# KiCad board jetson-agx-thor-baseboard.kicad_pcb (continued)
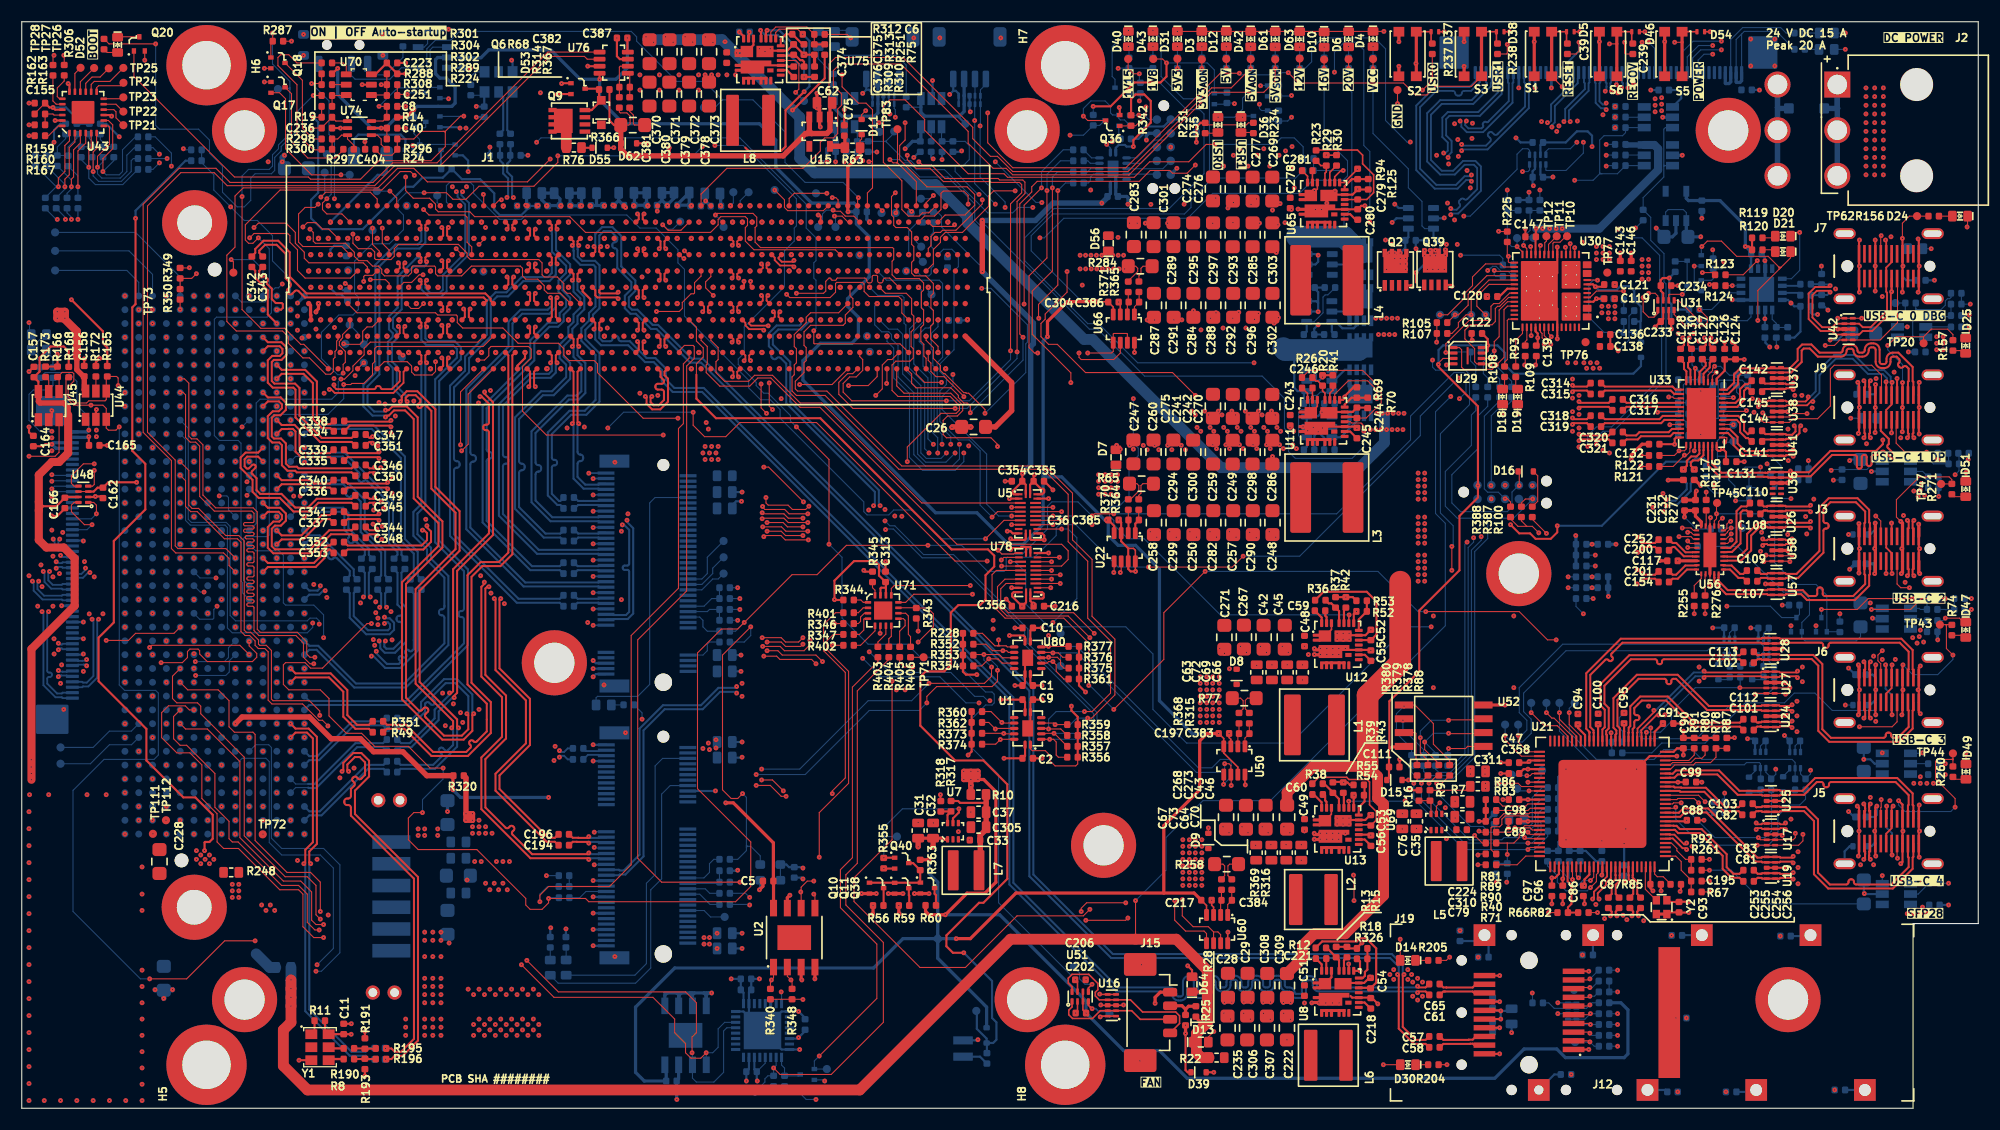
[diagram p0: board, top side]
## Routing (per net, layer and track width the routed paths; a pad name or vN(x,y) marks a point on that pad's centre or on a via; arc(x,y) is an arc through that point) (continued)
/Expansion connector/PCIe_{C3x2}.CLK-: length 44
  Top w0.19: v1(46.65,75) 46.77,74.89 46.77,74.33 J1.E22
  In5.Cu w0.15: v1(46.65,75) 46.6,75.05 45.86,75.05 arc(45.74,75.1) 45.68,75.23 45.68,75.26 arc(45.63,75.39) 45.5,75.44 45.41,75.44 arc(45.29,75.39) 45.23,75.26 45.23,75.23 arc(45.18,75.1) 45.05,75.05 44.96,75.05 arc(44.84,75.1) 44.78,75.23 44.78,75.26 arc(44.73,75.39) 44.6,75.44 44.51,75.44 arc(44.39,75.39) 44.33,75.26 44.33,75.23 arc(44.28,75.1) 44.15,75.05 40.19,75.05 39.63,74.49 39.63,73.53 40.08,73.08 40.08,72.09 38.49,70.5 37.16,70.5 29.33,62.67 29.33,49.69 27.72,48.08 v1(27.47,48.08)
  Bottom w0.19: J18.Y22 26.45,47.65 27.22,47.65 27.47,47.9 v1(27.47,48.08)
/Expansion connector/PCIe_{C3x2}.RX0+: length 45.1
  Top w0.19: v1(36.65,68.61) 36.77,68.73 36.77,69.3 J1.B12
  Bottom w0.19: v1(36.65,68.61) 36.77,68.5 36.77,55.62 36.03,54.89 36.03,52.68 37.28,51.43 37.28,50.43 38.88,48.83 38.88,46.14 arc(38.82,45.99) 38.66,45.92 38.61,45.92 arc(38.45,45.86) 38.39,45.7 38.39,45.59 arc(38.45,45.44) 38.61,45.37 38.66,45.37 arc(38.82,45.31) 38.88,45.15 38.88,42.79 35.19,39.1 30.75,39.1 27.28,42.57 26.45,42.57 J18.Y26
/Expansion connector/PCIe_{C3x2}.RX0-: length 45.1
  Top w0.19: v1(37.25,68.61) 37.14,68.73 37.14,69.3 J1.B13
  Bottom w0.19: v1(37.25,68.61) 37.14,68.5 37.14,55.46 36.4,54.73 36.4,52.84 37.65,51.59 37.65,50.59 39.25,48.99 39.25,42.63 35.35,38.73 30.59,38.73 27.12,42.2 26.45,42.2 J18.Y27
/Expansion connector/PCIe_{C3x2}.RX1+: length 52.4
  Top w0.19: v1(36.65,71.91) 36.77,72.03 36.77,72.3 J1.D12
  Bottom w0.19: 26,37.94 26.45,37.49 35.38,37.49 40.68,42.79 40.68,44.99 arc(40.62,45.15) 40.46,45.21 40.41,45.21 arc(40.25,45.27) 40.19,45.43 40.19,45.54 arc(40.25,45.7) 40.41,45.76 40.46,45.76 arc(40.62,45.82) 40.68,45.98 40.68,49.43 38.03,52.08 38.03,67.09 40.03,69.09 40.03,69.88 39.67,70.25 37.22,70.25 36.77,70.7 36.77,71.8 v1(36.65,71.91)
/Expansion connector/PCIe_{C3x2}.RX1-: length 52.4
  Top w0.19: v1(37.25,71.91) 37.14,72.03 37.14,72.3 J1.D13
  Bottom w0.19: J18.Y31 26.45,37.12 35.54,37.12 41.05,42.63 41.05,49.59 38.4,52.24 38.4,66.93 40.4,68.93 40.4,70.04 39.82,70.62 37.37,70.62 37.14,70.86 37.14,71.8 v1(37.25,71.91)
/Expansion connector/PCIe_{C3x2}.TX0+: length 75.8
  Top w0.19: v1(40.95,36.31) 41.08,36.18 41.08,34.89 40.49,34.3 38.85,34.3 37.14,36 arc(37.09,36.14) 37.14,36.28 37.36,36.49 arc(37.42,36.63) 37.36,36.77 37.29,36.84 arc(37.14,36.9) 37,36.84 36.79,36.63 arc(36.65,36.57) 36.51,36.63 35.35,37.79 35.35,48.26 38.7,51.61 38.7,54.01 36.43,56.29 36.43,63.59 35.42,64.6 34.09,64.6 33.75,64.25 v1(33.47,64.25) ; v1(37.25,80.91) 37.14,81.03 37.14,81.3 J1.K13
  Bottom w0.19: v1(33.47,64.25) 33.34,64.12 32.42,64.12 31.8,64.74 31.8,66.43 32.9,67.53 32.9,77.48 34.55,79.13 36.6,79.13 37.14,79.66 37.14,80.8 v1(37.25,80.91) ; v1(40.95,36.31) 41.08,36.44 41.08,37.93 39.89,39.13 39,39.13 37.84,37.96 arc(37.78,37.82) 37.84,37.68 37.99,37.53 arc(38.05,37.39) 37.99,37.25 37.92,37.17 arc(37.78,37.12) 37.63,37.17 37.48,37.33 arc(37.34,37.39) 37.2,37.33 37.1,37.23 37.1,36.48 35.86,35.24 34.87,35.24 34.57,34.94 C211.1
/Expansion connector/PCIe_{C3x2}.TX0-: length 75.8
  Top w0.19: v1(33.47,63.62) 33.6,63.75 33.77,63.75 34.25,64.23 35.27,64.23 36.06,63.43 36.06,56.13 38.33,53.86 38.33,51.76 34.98,48.41 34.98,37.63 38.69,33.93 40.65,33.93 41.45,34.73 41.45,36.18 v1(41.58,36.31) ; v1(36.65,80.91) 36.77,81.03 36.77,81.3 J1.K12
  Bottom w0.19: v1(41.58,36.31) 41.45,36.44 41.45,38.09 40.05,39.5 38.84,39.5 36.73,37.39 36.73,36.64 35.71,35.61 34.87,35.61 34.57,35.91 C219.1 ; v1(33.47,63.62) 33.34,63.75 32.27,63.75 31.43,64.58 31.43,66.59 32.53,67.69 32.53,77.64 34.39,79.5 36.44,79.5 36.77,79.82 36.77,80.8 v1(36.65,80.91)
/Expansion connector/PCIe_{C3x2}.TX1+: length 62.7
  Top w0.19: v1(34.83,65.04) 34.96,65.17 34.96,65.54 35.42,66 36.4,66 38.05,64.34 38.05,57.19 40.28,54.96 40.28,51.31 36.6,47.63 36.6,39.24 40.05,35.79 40.05,35.14 v1(40.18,35.01) ; J1.H12 36.77,78.3 36.77,78.03 v1(36.65,77.91)
  Bottom w0.19: v1(34.83,65.04) 34.96,65.17 34.96,65.46 34.13,66.28 34.13,68.13 33.68,68.58 33.68,70.54 34.13,70.99 34.13,71.33 33.78,71.68 33.78,72.89 34.58,73.69 34.58,76.54 36.36,78.31 36.52,78.31 36.65,78.18 v1(36.65,77.91) ; C220.1 34.85,31.24 38.01,31.24 40.05,33.28 40.05,34.88 v1(40.18,35.01)
/Expansion connector/PCIe_{C3x2}.TX1-: length 62.7
  Top w0.19: v1(39.55,35.01) 39.68,35.14 39.68,35.63 36.23,39.08 36.23,47.79 39.91,51.46 39.91,54.81 37.68,57.03 37.68,64.18 37.16,64.7 arc(37.05,64.75) 36.94,64.7 36.72,64.48 arc(36.6,64.44) 36.49,64.48 36.43,64.54 arc(36.39,64.65) 36.43,64.77 36.66,64.99 arc(36.7,65.1) 36.66,65.21 36.24,65.63 35.57,65.63 35.33,65.38 35.33,65.17 v1(35.46,65.04) ; v1(37.25,77.91) 37.14,78.03 37.14,78.3 J1.H13
  Bottom w0.19: C212.1 34.55,31.91 34.85,31.61 37.86,31.61 38.61,32.37 arc(38.67,32.5) 38.61,32.63 38.41,32.83 arc(38.36,32.96) 38.41,33.09 38.48,33.15 arc(38.61,33.2) 38.74,33.15 38.94,32.95 arc(39.07,32.9) 39.2,32.95 39.68,33.44 39.68,34.88 v1(39.55,35.01) ; v1(37.25,77.91) 37.25,77.69 37.05,77.49 36.06,77.49 34.95,76.38 34.95,73.53 34.15,72.73 34.15,71.84 34.5,71.49 34.5,70.83 34.05,70.38 34.05,68.74 34.5,68.29 34.5,66.44 35.33,65.61 35.33,65.17 v1(35.46,65.04)
/Expansion connector/PCIe_{C3x2}.~{CLKREQ}: length 21.9
  Top w0.1: J1.G8 32.3,76.66 31.57,76.66 31.47,76.56 31.47,76.11 v1(31.46,76.1)
  In4.Cu w0.1: v1(20.92,62.07) 20.92,62.87 21.87,63.81 23.94,63.81 25.49,65.36 26.12,65.36 26.38,65.62 26.38,67.12 28.64,69.39 28.64,70.74 31.52,73.61 31.52,75.71 31.47,75.76 31.47,76.09 v1(31.46,76.1)
/Expansion connector/PCIe_{C3x2}.~{RST}: length 32.2
  In4.Cu w0.1: v1(20.27,62.71) 20.27,62.11 20.69,61.69 21.15,61.69 22.37,62.91 23.62,62.91 25.77,65.06 26.17,65.06 26.67,65.56 26.67,66.71 28.87,68.91 28.87,70.61 31.79,73.54 31.79,73.81 35.84,77.86 35.84,78.16 36.94,79.26 36.94,80.04 36.37,80.61 35.29,80.61 34.74,80.06 v1(33.6,80.06)
  Bottom w0.1: v1(20.27,62.71) 20.89,63.34 J18.C10
/Expansion connector/PER0_C2_N: length 11.2
  Top w0.19: R351.2 32.26,34.61 31.95,34.93 30.69,34.93 29.58,36.03 29.58,38.33 28.26,39.66 25.19,39.66 v1(24.73,39.21)
/Expansion connector/PER0_C2_P: length 11.2
  Top w0.19: v1(24.73,40.48) 25.19,40.03 28.42,40.03 29.95,38.49 29.95,36.19 30.85,35.3 31.95,35.3 32.26,35.61 R49.2
/Expansion connector/PET0_C2_N: length 10.7
  Bottom w0.1: 26.34,29.85 25.2,29.85 J18.Z36
  Bottom w0.19: 26.34,29.85 26.94,29.85 30.7,33.61 33.24,33.61 33.56,33.93 C214.2
/Expansion connector/PET0_C2_P: length 10.8
  Bottom w0.1: 26.35,29.52 25.2,29.52 J18.Z37
  Bottom w0.19: C213.2 33.56,32.91 33.24,33.24 30.86,33.24 27.1,29.48 26.39,29.48 26.35,29.52
/Expansion connector/PET0_C3_N: length 9.2
  Bottom w0.19: 26,32.86 26.45,32.41 27.2,32.41 30.41,35.61 33.26,35.61 33.56,35.91 C219.2
/Expansion connector/PET0_C3_P: length 9.2
  Bottom w0.19: J18.Y35 26.45,32.04 27.36,32.04 30.56,35.24 33.26,35.24 33.56,34.94 C211.2
/Expansion connector/PET1_C3_N: length 9.7
  Bottom w0.19: C220.2 33.29,31.24 31.86,31.24 27.58,26.96 26.45,26.96 J18.Y39
/Expansion connector/PET1_C3_P: length 9.7
  Bottom w0.19: C212.2 33.59,31.91 33.29,31.61 31.71,31.61 27.42,27.33 26.45,27.33 J18.Y38
/Expansion connector/SPI1.MISO: length 105.7
  Top w0.1: v1(76.07,66.51) 77.87,66.51 78.7,67.34 J1.A56 ; v1(71.87,43.31) 71.47,42.91 70.27,42.91 69.87,43.31 v1(68.12,43.31)
  In5.Cu w0.1: v1(76.07,66.51) 76.07,66.11 70.87,60.91 70.87,57.91 70.42,57.46 70.42,51.86 69.67,51.11 69.67,46.31 71.87,44.11 v1(71.87,43.31) ; v1(17.87,48.81) 17.87,48.01 18.82,47.06 18.82,46.56 19.17,46.21 19.67,46.21 20.32,45.56 20.32,36.71 22.02,35.01 26.27,35.01 27.04,35.79 29.69,35.79 29.84,35.64 35.14,35.64 40.87,41.36 40.87,42.31 44.14,45.59 44.54,45.59 45.27,46.31 50.87,46.31 51.67,45.51 52.87,45.51 53.47,44.91 53.47,44.37 54.13,43.71 67.07,43.71 67.52,43.26 68.07,43.26 v1(68.12,43.31)
  Bottom w0.1: J18.G21 16.4,48.81 v1(17.87,48.81)
/Expansion connector/SPI1.MOSI: length 113.2
  Top w0.1: v1(68.17,42.51) 69.77,42.51 70.17,42.11 71.97,42.11 72.52,42.66 v1(72.52,43.06)
  In5.Cu w0.1: v1(16.77,47.51) 16.57,47.31 16.57,46.81 19.22,44.16 19.22,33.96 19.47,33.71 26.22,33.71 27.19,34.69 36.09,34.69 36.47,34.31 40.27,34.31 41.67,35.71 41.67,35.76 44.07,38.16 44.07,43.21 46.17,45.31 50.67,45.31 52.04,43.94 52.77,43.94 53.8,42.91 67.07,42.91 67.47,42.51 v1(68.17,42.51) ; v1(78,72.56) 77.92,72.56 76.67,71.31 76.67,66.11 71.27,60.71 71.27,57.71 70.67,57.11 70.67,51.71 70.07,51.11 70.07,46.51 72.52,44.06 v1(72.52,43.06)
  Bottom w0.1: v1(16.77,47.51) 16.43,47.51 J18.G22
/Expansion connector/SPI1.SCK: length 117.1
  Top w0.1: v1(71.87,42.71) 71.67,42.51 70.27,42.51 69.87,42.91 v1(68.57,42.91)
  In5.Cu w0.1: v1(68.57,42.91) 67.47,42.91 67.07,43.31 53.97,43.31 53.07,44.21 53.07,44.74 52.7,45.11 51.5,45.11 50.7,45.91 45.33,45.91 44.52,45.1 44.23,45.1 41.27,42.14 41.27,41.33 35.25,35.31 29.72,35.31 29.47,35.56 27.22,35.56 26.37,34.71 21.07,34.71 20.07,35.71 20.07,44.46 19.29,45.24 18.94,45.24 v1(17.97,46.21) ; v1(79.6,80.06) 78.26,78.72 78.26,76.12 78.47,75.91 78.47,75.31 77.37,74.21 77.37,73.01 76.42,72.06 76.42,70.61 75.77,69.96 75.77,69.31 75.67,69.21 75.67,66.31 70.47,61.11 70.47,58.11 70.17,57.81 70.17,52.01 69.27,51.11 69.27,45.31 v1(71.87,42.71)
  Bottom w0.1: J18.G24 15.84,45.53 16.37,45.01 17.57,45.01 17.67,45.11 17.67,45.91 v1(17.97,46.21)
/Expansion connector/SPI1.~{CS0}: length 123.9
  Top w0.1: v1(73.07,40.91) 72.67,41.31 69.75,41.31 69.45,41.61 v1(68.27,41.61)
  In5.Cu w0.1: v1(68.27,41.61) 67.17,41.61 66.67,42.11 53.47,42.11 52.44,43.14 51.71,43.14 50.34,44.51 46.87,44.51 45.22,42.86 45.22,38.13 40.6,33.51 36.14,33.51 35.99,33.66 28.32,33.66 26.97,32.31 19.57,32.31 17.92,33.96 17.92,43.76 15.47,46.21 15.47,50.36 15.32,50.51 15.32,52.65 v1(15.84,53.18) ; v1(77.8,74.06) 78.47,73.39 78.47,72.31 77.27,71.11 77.27,70.51 77.62,70.15 77.62,66.47 71.67,60.51 71.67,57.51 70.97,56.81 70.97,51.61 70.47,51.11 70.47,46.71 73.07,44.11 v1(73.07,40.91)
/Expansion connector/SPI1.~{CS1}: length 116.4
  Top w0.1: v1(68.57,42.11) 69.57,42.11 69.97,41.71 73.07,41.71 v1(73.67,41.11)
  In5.Cu w0.1: v1(68.57,42.11) 67.27,42.11 66.87,42.51 53.64,42.51 52.6,43.54 51.87,43.54 50.5,44.91 46.57,44.91 44.67,43.01 44.67,38.14 40.44,33.91 36.3,33.91 35.98,34.24 27.34,34.24 26.47,33.36 19.37,33.36 18.82,33.91 18.82,43.21 16.29,45.74 16.29,51.49 v1(15.87,51.91) ; v1(73.67,41.11) 73.67,44.11 71.22,46.56 71.22,56.46 72.07,57.31 72.07,60.31 78.27,66.51 78.27,68.93 v1(78.9,69.56)
/Expansion connector/SPI2.MISO: length 135.9
  In5.Cu w0.1: v1(84.67,61.11) 84.67,51.21 84.07,50.61 84.07,46.41 84.67,45.81 84.67,36.41 75.17,26.91 63.7,26.91 61.7,28.91 51.57,28.91 46.17,23.51 24.67,23.51 23.27,22.11 v1(23.27,18.21)
  In7.Cu w0.1: v1(23.27,18.21) 23.27,20.61 19.27,24.61 19.27,37.61 16.39,40.49 v1(15.84,40.49)
  Bottom w0.1: v1(84.67,61.11) 84.67,62.01 83.94,62.74 83.94,68.24 83.82,68.36 83.82,69.71 83.67,69.86 83.67,71.31 84.3,71.94 v1(84.3,72.56) ; J18.G28 v1(15.84,40.49)
/Expansion connector/SPI2.MOSI: length 136.7
  In5.Cu w0.1: v1(83.87,61.11) 83.87,51.61 83.27,51.01 83.27,46.01 83.87,45.41 83.87,36.74 74.54,27.41 64.34,27.41 62.04,29.71 51.24,29.71 45.84,24.31 24.07,24.31 22.47,22.71 v1(22.47,18.21)
  In7.Cu w0.1: v1(15.84,37.94) 17.97,35.81 17.97,24.41 22.47,19.91 v1(22.47,18.21)
  Bottom w0.1: v1(83.87,61.11) 83.37,61.61 83.37,67.21 82.07,68.51 82.07,71.51 82.97,72.41 82.97,73.51 82.74,73.74 82.74,75.32 v1(82.5,75.56)
/Expansion connector/SPI2.SCK: length 139.8
  In5.Cu w0.1: v1(22.87,18.71) 22.87,22.31 24.47,23.91 46,23.91 51.4,29.31 61.87,29.31 64.02,27.16 74.85,27.16 84.27,36.58 84.27,45.51 83.67,46.11 83.67,50.81 84.27,51.41 v1(84.27,60.31)
  In7.Cu w0.1: v1(22.87,18.71) 22.87,20.31 18.87,24.31 18.87,37.01 17.17,38.71 15.67,38.71 15.27,39.11 15.27,41.26 v1(15.84,41.84)
  Bottom w0.1: v1(84.27,60.31) 84.27,61.71 83.67,62.31 83.67,67.56 82.92,68.31 82.92,70.21 82.57,70.56 82.57,71.26 83.12,71.81 83.47,71.81 83.87,72.21 83.87,73.39 v1(83.2,74.06)
/Expansion connector/SPI2.~{CS0}: length 139.2
  In5.Cu w0.1: v1(22.07,18.71) 22.07,23.11 23.67,24.71 45.67,24.71 51.07,30.11 62.2,30.11 64.65,27.66 74.22,27.66 82.87,36.31 82.87,59.71 v1(83.47,60.31)
  In7.Cu w0.1: v1(15.84,44.29) 15.27,43.71 15.27,41.91 14.97,41.61 14.97,38.11 17.57,35.51 17.57,24.11 22.07,19.61 v1(22.07,18.71)
  Bottom w0.1: v1(82.5,72.56) 81.67,71.73 81.67,68.11 83.07,66.71 83.07,60.71 v1(83.47,60.31)
/Expansion connector/SPI3.MISO: length 137.3
  Top w0.1: v1(14.57,35.41) 15.07,34.91 17.07,34.91 20.07,31.91 20.07,24.91 24.07,20.91 25.67,20.91 26.67,19.91 26.67,17.31 27.07,16.91 v1(27.77,16.91)
  In5.Cu w0.1: v1(27.77,16.91) 31.17,16.91 35.22,20.96 39.92,20.96 40.87,21.91 46.26,21.91 52.06,27.71 61.21,27.71 63.21,25.71 75.66,25.71 85.87,35.92 85.87,46.21 85.37,46.71 85.37,49.91 85.87,50.41 v1(85.87,60.31)
  Bottom w0.1: v1(78.9,72.56) 79.75,71.71 80.57,71.71 81.04,71.24 81.04,67.59 82.42,66.21 82.42,60.21 83.17,59.46 85.02,59.46 v1(85.87,60.31)
/Expansion connector/SPI3.MOSI: length 146.2
  Top w0.1: v1(14.58,40.48) 13.87,39.77 13.87,37.71 14.27,37.31 16.17,37.31 16.47,37.01 16.47,36.31 20.47,32.31 20.47,25.08 24.24,21.31 26.27,21.31 27.07,20.51 27.07,17.81 v1(27.47,17.41)
  In5.Cu w0.1: v1(27.47,17.41) 30.22,17.41 34.19,21.39 39.74,21.39 40.67,22.31 46.1,22.31 51.9,28.11 61.37,28.11 63.37,26.11 75.5,26.11 85.47,36.08 85.47,46.11 84.87,46.71 84.87,50.11 85.47,50.71 v1(85.47,61.11)
  Bottom w0.1: v1(85.47,61.11) 85.47,61.81 84.22,63.06 84.22,68.61 84.72,69.11 84.72,75.91 84.42,76.21 79.55,76.21 v1(78.7,77.06)
/Expansion connector/SPI3.SCK: length 142.9
  Top w0.1: v1(27.47,18.11) 27.47,20.81 26.57,21.71 24.4,21.71 21.47,24.64 21.47,34.41 21.27,34.61 19.57,34.61 19.07,35.11 19.07,37.51 18.07,38.51 15.27,38.51 v1(14.58,39.21)
  In5.Cu w0.1: v1(85.07,60.31) 85.07,51.01 84.47,50.41 84.47,46.51 85.07,45.91 85.07,36.25 75.33,26.51 63.54,26.51 61.54,28.51 51.73,28.51 46.33,23.11 32.92,23.11 27.92,18.11 v1(27.47,18.11)
  Bottom w0.1: v1(78,75.56) 78.75,74.81 80.97,74.81 81.17,74.61 81.17,72.26 81.34,72.09 81.34,67.89 82.72,66.51 82.72,60.31 83.22,59.81 84.57,59.81 v1(85.07,60.31)
/Expansion connector/SPI3.~{CS0}: length 145.9
  Top w0.1: v1(15.84,36.66) 15.42,36.66 15.04,37.04 13.49,37.04 12.87,36.41 12.87,34.11 14.27,32.71 15.47,32.71 16.57,31.61 16.57,28.51 17.97,27.11 17.97,24.51 18.57,23.91 19.94,23.91 23.74,20.11 25.47,20.11 25.87,19.71 25.87,16.71 26.87,15.71 v1(27.77,15.71)
  In5.Cu w0.1: v1(86.67,60.31) 86.67,50.01 86.17,49.51 86.17,46.81 86.67,46.31 86.67,35.58 75.99,24.91 62.88,24.91 60.88,26.91 52.39,26.91 46.59,21.11 41.77,21.11 40.86,20.2 36.58,20.2 32.09,15.71 v1(27.77,15.71)
  Bottom w0.1: v1(79.6,71.06) 79.6,70.58 80.22,69.96 80.22,67.21 81.67,65.76 81.67,59.91 82.87,58.71 85.87,58.71 86.67,59.51 v1(86.67,60.31)
/Expansion connector/SPI3.~{CS1}: length 144.3
  Top w0.1: v1(27.37,16.41) 26.97,16.41 26.27,17.11 26.27,19.71 25.47,20.51 23.9,20.51 19.9,24.51 19.37,24.51 19.07,24.81 19.07,26.41 17.77,27.71 17.77,30.81 15.17,33.41 14.57,33.41 13.97,34.01 13.97,36.06 v1(14.57,36.66)
  In5.Cu w0.1: v1(86.27,61.11) 86.27,50.21 85.77,49.71 85.77,46.81 86.27,46.31 86.27,35.75 75.83,25.31 63.04,25.31 61.04,27.31 52.23,27.31 46.43,21.51 40.87,21.51 40.02,20.66 36.32,20.66 32.07,16.41 v1(27.37,16.41)
  Bottom w0.1: v1(86.27,61.11) 86.27,59.76 85.62,59.11 83.12,59.11 82.07,60.16 82.07,65.86 80.62,67.31 80.62,70.21 80.02,70.81 80.02,71.21 79.77,71.46 79.12,71.46 78.47,72.11 78.47,73.83 v1(78.7,74.06)
/Expansion connector/UART2.CTS: length 107.8
  Top w0.1: J1.A57 79.6,66.74 v1(79.57,66.71) ; v1(72.42,55.41) 72.12,55.11 70.9,55.11 70.5,55.51 68.67,55.51 68.47,55.71 v1(68.47,56.21)
  In5.Cu w0.1: v1(19.66,64.61) 20.35,63.91 21.27,63.91 21.47,63.71 21.47,60.76 20.32,59.61 20.32,55.71 20.74,55.29 23.29,55.29 25.47,53.11 25.47,46.96 24.29,45.79 24.29,39.09 24.59,38.79 26.22,38.79 26.29,38.71 33.42,38.71 37.77,43.06 37.77,50.47 40.01,52.71 60.27,52.71 63.02,55.46 66.89,55.46 67.64,56.21 v1(68.47,56.21) ; v1(72.42,55.41) 73.17,56.16 73.17,59.66 79.57,66.06 v1(79.57,66.71)
/Expansion connector/UART2.RTS: length 142.1
  Top w0.1: v1(68.57,53.11) 69.87,53.11 70.27,52.71 v1(71.87,52.71)
  In5.Cu w0.1: v1(80.5,77.06) 79.37,78.19 79.37,79.16 80.07,79.86 80.07,80.46 79.47,81.06 79.47,82.36 80.17,83.06 80.67,83.06 81.82,81.91 81.82,80.01 82.17,79.66 82.52,79.66 83.02,79.16 83.57,79.16 83.87,78.86 83.87,78.01 84.52,77.36 84.52,76.66 83.87,76.01 83.87,75.24 83.39,74.76 82.17,74.76 81.87,74.46 81.87,73.96 82.94,72.89 82.94,71.34 82.82,71.21 82.82,70.41 81.97,69.56 81.97,65.38 75.57,58.98 75.57,54.01 74.27,52.71 v1(71.87,52.71) ; v1(19.66,65.88) 19.07,65.29 19.07,59.51 17.77,58.21 17.77,51.51 18.12,51.16 18.42,51.16 18.79,50.79 18.79,50.04 19.12,49.71 19.12,49.36 21.57,46.91 21.57,36.66 21.97,36.26 26.47,36.26 27.32,37.11 34.97,37.11 40.17,42.31 40.17,49.48 40.4,49.71 60.67,49.71 64.07,53.11 v1(68.57,53.11)
/Expansion connector/UART2.RX: length 105.4
  Top w0.1: v1(72.32,54.71) 70.59,54.71 70.19,55.11 68.37,55.11 68.16,55.32 v1(68.16,55.39)
  In5.Cu w0.1: v1(68.16,55.39) 67.75,55.39 67.54,55.18 63.3,55.18 60.54,52.41 40.27,52.41 38.17,50.31 38.17,43.14 33.54,38.51 24.34,38.51 24.09,38.76 24.09,53.19 23.57,53.71 22.27,53.71 21.07,54.91 20.32,54.91 20.07,55.16 20.07,60.38 v1(19.66,60.8) ; v1(78.7,71.06) 79.37,70.39 79.69,70.39 80.22,69.86 80.22,69.21 79.97,68.96 79.97,66.06 73.57,59.66 73.57,55.96 v1(72.32,54.71)
/Expansion connector/UART2.TX: length 126.2
  Top w0.1: v1(72.37,52.31) 70.24,52.31 69.84,52.71 68.37,52.71 v1(68.27,52.61)
  In5.Cu w0.1: v1(72.37,52.31) 71.67,52.31 71.47,52.51 71.47,56.11 72.57,57.21 72.57,60.16 78.72,66.31 78.72,68.21 79.32,68.81 79.32,69.86 78.32,70.86 78.32,71.46 78.62,71.76 79.8,71.76 v1(80.5,71.06) ; v1(19.66,62.07) 19.27,62.45 19.27,64.76 20.12,65.61 20.12,66.06 19.92,66.26 19.37,66.26 17.97,64.86 17.97,59.76 17.52,59.31 17.52,51.41 17.79,51.14 17.79,50.64 18.34,50.09 18.34,48.69 21.32,45.71 21.32,36.41 21.67,36.06 26.77,36.06 27.42,36.71 35.14,36.71 40.38,41.95 40.38,42.62 40.57,42.81 40.57,49.31 40.67,49.41 60.93,49.41 64.13,52.61 v1(68.27,52.61)
/Expansion connector/UART5.CTS: length 114.9
  Top w0.1: v1(68.12,54.26) 68.17,54.31 70.12,54.31 70.52,53.91 v1(72.32,53.91) ; J1.H57 v1(79.82,78.56)
  In5.Cu w0.1: v1(79.82,78.56) 80.37,79.11 80.97,79.11 81.17,78.91 81.17,78.31 81.82,77.66 81.82,76.46 80.94,75.59 80.94,73.69 81.17,73.46 81.17,72.26 81.62,71.81 81.62,71.01 80.77,70.16 80.77,65.87 74.37,59.47 74.37,55.11 73.17,53.91 v1(72.32,53.91) ; v1(19.66,56.99) 19.07,56.4 19.07,51.71 19.47,51.31 22.67,51.31 22.87,51.11 22.87,39.11 24.47,37.51 26.11,37.51 26.61,38.01 34.17,38.01 38.97,42.81 38.97,49.98 40.2,51.21 60.47,51.21 63.52,54.26 v1(68.12,54.26)
/Expansion connector/UART5.RTS: length 119.6
  Top w0.1: v1(68.57,53.91) 70.04,53.91 70.44,53.51 v1(71.87,53.51) ; J1.K58 v1(80.67,81.56)
  In5.Cu w0.1: v1(68.57,53.91) 68.54,53.89 63.71,53.89 60.74,50.91 40.47,50.91 39.37,49.81 39.37,42.64 34.44,37.71 26.84,37.71 26.44,37.31 23.12,37.31 22.62,37.81 22.62,49.61 22.22,50.01 19.67,50.01 19.22,50.46 19.22,51.01 18.77,51.46 18.77,57.37 v1(19.66,58.26) ; v1(71.87,53.51) 73.47,53.51 74.77,54.81 74.77,59.31 81.17,65.71 81.17,70.21 82.07,71.11 82.07,71.99 81.62,72.44 81.62,73.46 81.24,73.84 81.24,75.24 82.72,76.71 82.72,77.41 82.07,78.06 82.07,78.81 80.97,79.91 80.97,80.61 80.67,80.91 v1(80.67,81.56)
/Expansion connector/UART5.RX: length 107
  Top w0.1: v1(71.87,54.31) 70.52,54.31 70.12,54.71 68.22,54.71 v1(68.12,54.81)
  In5.Cu w0.1: v1(80.7,78.56) 80.92,78.34 80.92,76.71 80.27,76.06 80.27,75.31 80.07,75.11 80.07,73.81 80.27,73.61 80.27,72.31 81.07,71.51 81.07,70.96 80.47,70.36 80.47,66.14 73.97,59.64 73.97,55.61 72.67,54.31 v1(71.87,54.31) ; v1(68.12,54.81) 63.5,54.81 60.2,51.51 39.94,51.51 38.57,50.14 38.57,42.97 33.81,38.21 26.57,38.21 26.47,38.31 24.19,38.31 23.87,38.64 23.87,52.11 23.47,52.51 20.32,52.51 v1(19.66,53.18)
/Expansion connector/UART5.TX: length 125.4
  Top w0.1: v1(72.32,53.11) 70.29,53.11 69.89,53.51 v1(68.17,53.51)
  In5.Cu w0.1: v1(18.17,56.36) 17.97,56.16 17.97,51.91 18.99,50.89 18.99,50.39 19.57,49.81 19.92,49.81 21.82,47.91 21.82,37.76 22.52,37.06 26.67,37.06 27.12,37.51 34.8,37.51 39.77,42.48 39.77,49.64 40.14,50.01 60.4,50.01 63.9,53.51 v1(68.17,53.51) ; v1(80.5,80.06) 80.5,80.68 79.87,81.31 79.87,81.66 80.17,81.96 80.82,81.96 81.47,81.31 81.47,80.01 82.17,79.31 82.47,79.31 82.97,78.81 82.97,78.46 83.62,77.81 83.62,76.66 82.89,75.94 82.89,75.26 82.79,75.16 81.94,75.16 81.54,74.76 81.54,73.94 82.04,73.44 82.04,72.44 82.57,71.91 82.57,70.71 81.57,69.71 81.57,65.54 75.17,59.14 75.17,54.41 73.87,53.11 v1(72.32,53.11)
  Bottom w0.1: v1(18.17,56.36) 18.87,56.36 19.02,56.21 19.02,55.08 J18.D17
/I2C_{SYS}.SCL: length 457.9
  Top w0.1: v1(87.47,47.31) 82.07,47.31 81.32,46.56 U71.12 ; v1(100.47,49.31) 100.5,49.34 U22.5 ; v1(148.97,60.11) 149,60.08 R122.2 ; U50.5 110.57,30.69 v1(110.57,29.81) ; R100.2 138.97,54.21 v1(140.27,52.91) ; v1(106.07,19.11) 106.07,17.31 107.07,16.31 108.77,16.31 109,16.08 U60.5 ; U76.5 53.15,97.21 48.4,97.21 38.2,87.01 34.12,87.01 32.32,85.21 19.17,85.21 17.87,86.51 14.47,86.51 11.17,83.21 11.17,62.21 13.77,59.61 13.77,51.51 14.17,51.11 18.57,51.11 19.07,50.61 19.07,49.95 v1(19.66,49.37) ; U80.13 94.42,42.46 v1(94.47,42.51) R377.2 ; v1(45.97,13.21) 48.97,10.21 58.07,10.21 60.07,8.21 60.07,6.96 61.07,5.96 61.07,5.11 61.57,4.61 62.47,4.61 v1(62.97,5.11) ; v1(101.57,18.91) 97.97,18.91 97.47,18.41 v1(97.47,18.11) ; U66.7 101.72,71.26 101.67,71.31 100.47,71.31 100.42,71.26 U66.5 100.42,69.66 100.27,69.51 v1(98.07,69.51) ; R71.1 v1(133.97,22.41)
  In5.Cu w0.1: v1(87.47,47.31) 88.32,46.46 88.32,43.76 89.47,42.61 91.67,42.61 91.77,42.51 v1(94.47,42.51) 96.87,42.51 100.47,46.11 v1(100.47,49.31) 100.47,50.11 98.87,51.71 98.87,55.51 98.07,56.31 98.07,66.74 97.47,67.34 97.47,68.51 96.67,69.31 96.67,69.91 96.87,70.11 97.67,70.11 98.07,69.71 v1(98.07,69.51) ; v1(106.07,19.11) 106.37,19.41 106.37,19.71 106.77,20.11 108.67,20.11 110.17,21.61 110.17,27.61 110.67,28.11 110.67,29.71 v1(110.57,29.81) 110.57,30.21 111.27,30.91 122.87,30.91 125.07,28.71 125.07,25.91 126.27,24.71 128.67,24.71 130.97,22.41 v1(133.97,22.41) 134.77,22.41 135.44,23.08 135.44,32.18 135.94,32.68 135.94,38.88 142.87,45.81 142.87,48.31 v1(142.27,48.91) 142.27,50.91 v1(140.27,52.91) 140.27,53.34 142.44,55.51 147.24,55.51 149.87,58.14 149.87,59.51 149.27,60.11 v1(148.97,60.11) 146.47,60.11 146.07,59.71 142.57,59.71 134.22,68.06 134.22,80.11 136.82,82.71 137.87,82.71 v1(139.67,84.51)
  In7.Cu w0.1: v1(101.57,18.91) 102.27,18.21 105.17,18.21 v1(106.07,19.11) ; v1(19.66,49.37) 20.01,49.37 20.07,49.31 20.07,24.74 21.23,23.58 31.8,23.58 42.17,13.21 v1(45.97,13.21) ; v1(97.47,18.11) 94.67,18.11 84.77,8.21 62.92,8.21 61.12,6.41 61.12,4.96 61.57,4.51 62.37,4.51 v1(62.97,5.11)
  Bottom w0.1: R111.1 v1(139.67,84.51) ; v1(94.47,42.51) 95.57,42.51 ; 95.57,42.51 97.07,42.51 108.25,31.33 109.49,31.33 110.27,32.11 111.07,32.11 111.27,31.91 111.27,30.51 v1(110.57,29.81) ; 95.57,42.51 TP88.1 ; R282.1 v1(142.27,48.91) ; U14.30 64.67,7.91 64.07,7.31 64.07,5.61 63.57,5.11 v1(62.97,5.11) 62.97,5.11 U54.5
/I2C_{SYS}.SDA: length 457.7
  Top w0.1: v1(97.27,69.51) 97.27,69.11 97.47,68.91 100.47,68.91 101.07,69.51 U66.6 ; v1(101.77,17.51) 101.56,17.3 v1(97.89,17.3) ; 109.65,16.23 110.05,16.23 110.3,15.98 U60.7 ; 109.65,16.23 109.17,16.71 107.77,16.71 106.77,17.71 v1(106.77,19.21) ; 109.65,16.23 U60.6 ; v1(101.07,49.31) 101.15,49.39 U22.6 ; U80.12 94.82,41.96 v1(94.87,41.91) 95.37,41.91 95.77,41.51 R376.2 ; v1(148.97,59.11) 149.01,59.07 R121.2 ; 138.47,53.56 137.97,54.06 R387.2 ; 138.47,53.56 138.97,53.56 v1(139.57,52.96) ; 138.47,53.56 137.65,53.56 136.97,54.24 R388.2 ; v1(19.66,50.64) 18.78,51.51 14.37,51.51 14.12,51.76 14.12,59.66 11.57,62.21 11.57,83.04 14.64,86.11 17.7,86.11 18.9,84.91 32.47,84.91 34.32,86.76 38.52,86.76 48.57,96.81 51.77,96.81 52.02,96.56 53.16,96.56 ; v1(111.27,29.71) 111.27,30.67 111.23,30.71 111.23,31.55 111.07,31.71 v1(110.67,31.71) ; v1(46.47,13.61) 49.37,10.71 61.07,10.71 62.07,9.71 62.07,6.96 61.67,6.56 v1(61.67,5.11) ; R40.1 134.07,23.41 v1(133.97,23.31) ; v1(87.27,48.11) 80.27,48.11 80,47.84 U71.13
  In5.Cu w0.1: v1(106.77,19.21) 107.17,19.61 108.47,19.61 111.57,22.71 111.57,25.91 111.27,26.21 v1(111.27,29.71) ; v1(97.27,69.51) 97.87,68.91 97.87,67.51 98.47,66.91 98.47,56.48 99.27,55.68 99.27,52.11 101.07,50.31 v1(101.07,49.31) 101.07,45.51 97.47,41.91 v1(94.87,41.91) 94.27,41.91 94.07,42.11 91.77,42.11 91.27,41.61 89.77,41.61 87.87,43.51 87.87,46.31 87.07,47.11 87.07,47.91 v1(87.27,48.11) ; v1(110.67,31.71) 112.75,31.71 113.27,31.19 122.99,31.19 125.35,28.83 125.35,26.03 126.39,24.99 128.79,24.99 130.47,23.31 v1(133.97,23.31) 134.17,23.31 135.02,24.16 135.02,32.56 135.37,32.91 135.37,39.11 142.27,46.01 v1(142.27,47.91) 141.47,48.71 141.47,50.51 139.57,52.41 v1(139.57,52.96) 139.57,53.41 142.07,55.91 147.07,55.91 149.47,58.31 149.47,58.71 149.07,59.11 v1(148.97,59.11) 141.92,59.11 133.82,67.21 133.82,80.42 136.67,83.27 v1(136.67,84.51)
  In7.Cu w0.1: v1(101.77,17.51) 106.07,17.51 106.77,18.21 v1(106.77,19.21) ; v1(46.47,13.61) 42.34,13.61 31.96,23.98 21.4,23.98 20.47,24.91 20.47,49.82 v1(19.66,50.64) ; v1(61.67,5.11) 64.47,7.91 84.89,7.91 94.29,17.31 97.88,17.31 v1(97.89,17.3)
  Bottom w0.1: v1(110.67,31.71) 110.67,31.11 110.47,30.91 108.07,30.91 97.07,41.91 95.57,41.91 ; v1(61.67,5.11) 61.7,5.08 U54.6 61.7,2.78 62.07,2.41 63.67,2.41 64.57,3.31 64.57,7.11 64.87,7.41 U14.29 ; R281.1 v1(142.27,47.91) ; TP87.1 95.57,41.91 ; 95.57,41.91 v1(94.87,41.91) ; R112.1 v1(136.67,84.51)
